# Allegro board PCIe3_0_X16_V1_0-166-20240802_20240828_pcb.brd (continued)
## Nets (continued)
VCC1V5_MGT: C414.2(CAP1) CC9.1 CC10.1 L35.2 L36.1 R255.2 TP6.1
VCC1V5_MGT_PG: R248.2 U27.3(PGOOD)
VCC1V8: C1.1(CAP2) C3.1(CAP2) C10.1(CAP2) C11.1(CAP2) C303.1(CAP2) C305.1(CAP2) C307.1(CAP2) C309.1(CAP2) C329.1(CAP2) C341.1(CAP2) CC5.1 CC6.1 D1.2 D2.2 D3.2 D4.2 J1.4 L1.1 L3.2 L4.2 L6.1 L8.2 L31.2 R1.1 R2.1 R3.1 R7.1 R8.1 R9.1 R10.1 R11.1 R14.1 R17.1 R18.1 R24.1 R25.1 R26.1 R27.1 R28.1 R45.2 R46.2 R53.2 R54.2 R234.2 R276.1 R292.1 R297.2 TP4.1 U14.2(VCCA) U14.10(OE) U15.2(VCCA) U15.10(OE) U16.2(VCCA) U16.10(OE) U17.2(VCCA) U17.10(OE) U18.3(VCCA) U18.6(OE) U19.3(VCCA) U19.6(OE)
VCC1V8_AUX: C38.1(CAP2) C39.1(CAP2) C45.1(CAP2) C46.1(CAP2) C47.1(CAP2) C48.1(CAP2) C49.1(CAP2) C50.1(CAP2) C51.1(CAP2) L8.1 U1.AA26(VCCAUX_IO#AA26) U1.AA28(VCCAUX_IO#AA28) U1.AA30(VCCAUX#AA30) U1.AB27(VCCAUX_IO#AB27) U1.AB29(VCCAUX_IO#AB29) U1.AB31(VCCAUX#AB31) U1.AC26(VCCAUX_IO#AC26) U1.AC28(VCCAUX_IO#AC28) U1.AC30(VCCAUX#AC30) U1.AD27(VCCAUX_IO#AD27) U1.AD29(VCCAUX_IO#AD29) U1.AD31(VCCAUX#AD31) U1.AE26(VCCAUX_IO#AE26) U1.AE28(VCCAUX_IO#AE28) U1.AE30(VCCAUX#AE30) U1.AF31(VCCAUX#AF31) U1.P31(VCCAUX#P31) U1.R26(VCCAUX_IO#R26) U1.R28(VCCAUX_IO#R28) U1.R30(VCCAUX#R30) U1.T27(VCCAUX_IO#T27) U1.T29(VCCAUX_IO#T29) U1.T31(VCCAUX#T31) U1.U26(VCCAUX_IO#U26) U1.U28(VCCAUX_IO#U28) U1.U30(VCCAUX#U30) U1.V27(VCCAUX_IO#V27) U1.V29(VCCAUX_IO#V29) U1.V31(VCCAUX#V31) U1.W26(VCCAUX_IO#W26) U1.W28(VCCAUX_IO#W28) U1.W30(VCCAUX#W30) U1.Y27(VCCAUX_IO#Y27) U1.Y29(VCCAUX_IO#Y29) U1.Y31(VCCAUX#Y31)
VCC1V8_PG: R228.2 U25.3(PGOOD) U26.2(EN) U29.2(EN) U32.2(EN)
VCC1V8_VCCO: C25.1(CAP2) C26.1(CAP2) C30.1(CAP2) C31.1(CAP2) C32.1(CAP2) C33.1(CAP2) C34.1(CAP2) L6.2 U1.A16(VCCO_48#A16) U1.AA9(VCCO_0#AA9) U1.AF29(VCCO_65#AF29) U1.AG26(VCCO_64#AG26) U1.AH23(VCCO_64#AH23) U1.AJ30(VCCO_65#AJ30) U1.AK27(VCCO_64#AK27) U1.AL24(VCCO_64#AL24) U1.AM31(VCCO_65#AM31) U1.AN28(VCCO_65#AN28) U1.AP25(VCCO_64#AP25) U1.AR22(VCCO_64#AR22) U1.AR32(VCCO_65#AR32) U1.AT29(VCCO_65#AT29) U1.AU26(VCCO_64#AU26) U1.AV23(VCCO_64#AV23) U1.AW30(VCCO_65#AW30) U1.B13(VCCO_48#B13) U1.C10(VCCO_47#C10) U1.D17(VCCO_48#D17) U1.E14(VCCO_48#E14) U1.F11(VCCO_47#F11) U1.G8(VCCO_47#G8) U1.H15(VCCO_48#H15) U1.J12(VCCO_47#J12) U1.K9(VCCO_47#K9) U1.L16(VCCO_48#L16) U1.M13(VCCO_48#M13) U1.N10(VCCO_47#N10) U1.W9(VCCO_0#W9)
VCC2V5: L11.1 L42.2
VCC2V5_DDR4: C95.1(CAP2) C96.1(CAP2) C97.1(CAP2) C98.1(CAP2) C125.1(CAP2) C126.1(CAP2) C127.1(CAP2) C128.1(CAP2) C155.1(CAP2) C156.1(CAP2) C184.1(CAP2) C185.1(CAP2) C186.1(CAP2) C187.1(CAP2) C214.1(CAP2) C215.1(CAP2) C216.1(CAP2) C217.1(CAP2) C244.1(CAP2) C245.1(CAP2) L11.2 U4.B1(VPP1) U4.R9(VPP2) U5.B1(VPP1) U5.R9(VPP2) U6.B1(VPP1) U6.R9(VPP2) U7.B1(VPP1) U7.R9(VPP2) U8.B1(VPP1) U8.R9(VPP2) U9.B1(VPP1) U9.R9(VPP2) U10.B1(VPP1) U10.R9(VPP2) U11.B1(VPP1) U11.R9(VPP2) U12.B1(VPP1) U12.R9(VPP2) U13.B1(VPP1) U13.R9(VPP2)
VCC3V3: C274.1(CAP2) C275.1(CAP2) C281.1(CAP2) C282.1(CAP2) C285.1(CAP2) C288.1(CAP2) C293.1(CAP2) C294.1(CAP2) C299.1(CAP2) C300.1(CAP2) C304.1(CAP2) C306.1(CAP2) C308.1(CAP2) C310.1(CAP2) C330.1(CAP2) C342.1(CAP2) C358.1(CAP2) C365.1(CAP2) C412.2(CAP1) C430.2(CAP1) C434.2(CAP1) CC11.1 CC12.1 DS1.1 L5.2 L13.1 L14.1 L15.1 L16.1 L17.1 L18.1 L19.1 L20.1 L21.1 L22.1 L23.1 L24.2 L25.1 L26.2 L27.1 L38.2 L39.1 L41.1 L46.2 L48.2 R153.1 R154.1 R155.1 R156.1 R157.1 R158.1 R159.1 R160.1 R162.1 R164.1 R165.1 R166.1 R167.1 R168.1 R169.1 R170.1 R171.1 R172.1 R173.1 R174.1 R176.1 R178.1 R179.1 R180.1 R181.1 R182.1 R183.1 R184.1 R186.1 R188.1 R189.1 R190.1 R191.1 R192.1 R193.1 R194.1 R196.1 R198.1 R199.1 R200.1 R258.1 R259.1 R260.1 R261.1 R270.2 R291.1 TP7.1 U14.19(VCCB) U15.19(VCCB) U16.19(VCCB) U17.19(VCCB) U18.7(VCCB) U19.7(VCCB) U28.27(BIAS)
VCC3V3_PG: R263.2 U29.3(PGOOD)
VCC12V_FAN: C468.1(CAP2) L49.2 Q3.1(D1) Q3.2(D2) Q3.3(D3) TP15.1
VCC12V_FAN_EN: R302.2 U1.E16(IO_L17P_T2U_N8_AD10P_48)
VCC12V_FAN_FG: R297.1 R298.2 U1.F13(IO_L16P_T2U_N6_QBC_AD3P_48)
VCC12V_FAN_PWM: R300.2 U1.E13(IO_L16N_T2U_N7_QBC_AD3N_48)
VCC12V_IN: C312.1(CAP2) C313.1(CAP2) C314.1(CAP2) C315.1(CAP2) C316.1(CAP2) C317.1(CAP2) C318.1(CAP2) C377.2(CAP1) C386.2(CAP1) C395.2(CAP1) C404.2(CAP1) C422.2(CAP1) C439.2(CAP1) C466.2(CAP1) CC15.1 J5.1(POWER#1) J5.3(POWER#3) L28.1 L30.1 L32.1 L34.1 L37.1 L43.1 L50.1 P2.A2(+12V#A2) P2.A3(+12V#A3) P2.B1(+12V#B1) P2.B2(+12V#B2) P2.B3(+12V#B3) R222.1
BPI_FLASH_A_0: U1.AK29(IO_L16P_T2U_N6_QBC_AD3P_A00_D16) U2.A1
BPI_FLASH_A_1: U1.AK30(IO_L16N_T2U_N7_QBC_AD3N_A01_D17) U2.B1(A2)
BPI_FLASH_A_2: U1.AK28(IO_L15P_T2L_N4_AD11P_A02_D18_65) U2.C1(A3)
BPI_FLASH_A_3: U1.AL28(IO_L15N_T2L_N5_AD11N_A03_D19_65) U2.D1(A4)
BPI_FLASH_A_4: U1.AL30(IO_L14P_T2L_N2_GC_A04_D20_65) U2.D2(A5)
BPI_FLASH_A_5: U1.AM30(IO_L14N_T2L_N3_GC_A05_D21_65) U2.A2(A6)
BPI_FLASH_A_6: U1.AL32(IO_L13P_T2L_N0_GC_QBC_A06_D22_6) U2.C2(A7)
BPI_FLASH_A_7: U1.AM32(IO_L13N_T2L_N1_GC_QBC_A07_D23_6) U2.A3(A8)
BPI_FLASH_A_8: U1.AP31(IO_L12P_T1U_N10_GC_A08_D24_65) U2.B3(A9)
BPI_FLASH_A_9: U1.AP32(IO_L12N_T1U_N11_GC_A09_D25_65) U2.C3(A10)
BPI_FLASH_A_10: U1.AN30(IO_L11P_T1U_N8_GC_A10_D26_65) U2.D3(A11)
BPI_FLASH_A_11: U1.AN31(IO_L11N_T1U_N9_GC_A11_D27_65) U2.C4(A12)
BPI_FLASH_A_12: U1.AN29(IO_L10P_T1U_N6_QBC_AD4P_A12_D28) U2.A5(A13)
BPI_FLASH_A_13: U1.AP29(IO_L10N_T1U_N7_QBC_AD4N_A13_D29) U2.B5(A14)
BPI_FLASH_A_14: U1.AN32(IO_L9P_T1L_N4_AD12P_A14_D30_65) U2.C5(A15)
BPI_FLASH_A_15: U1.AN33(IO_L9N_T1L_N5_AD12N_A15_D31_65) U2.D7(A16)
BPI_FLASH_A_16: U1.AR29(IO_L8P_T1L_N2_AD5P_A16_65) U2.D8(A17)
BPI_FLASH_A_17: U1.AR30(IO_L8N_T1L_N3_AD5N_A17_65) U2.A7(A18)
BPI_FLASH_A_18: U1.AP28(IO_L7P_T1L_N0_QBC_AD13P_A18_65) U2.B7(A19)
BPI_FLASH_A_19: U1.AR28(IO_L7N_T1L_N1_QBC_AD13N_A19_65) U2.C7(A20)
BPI_FLASH_A_20: U1.AR31(IO_L6P_T0U_N10_AD6P_A20_65) U2.C8(A21)
BPI_FLASH_A_21: U1.AT31(IO_L6N_T0U_N11_AD6N_A21_65) U2.A8(A22)
BPI_FLASH_A_22: U1.AV31(IO_L5P_T0U_N8_AD14P_A22_65) U2.G1(A23)
BPI_FLASH_A_23: U1.AW31(IO_L5N_T0U_N9_AD14N_A23_65) U2.H8(A24)
BPI_FLASH_A_24: U1.AT30(IO_L4P_T0U_N6_DBC_AD7P_A24_65) U2.B6(A25)
BPI_FLASH_A_25: R30.2 U1.AU30(IO_L4N_T0U_N7_DBC_AD7N_A25_65)
BPI_FLASH_A_26: R31.2 U1.AT28(IO_L3P_T0L_N4_AD15P_A26_65)
BPI_FLASH_ADV_B: R26.2 U1.AM33(IO_T2U_N12_CSI_ADV_B_65) U2.F6(ADV_B)
BPI_FLASH_CE_B: R24.2 U1.AE8(RDWR_FCS_B_0) U2.B4(CE_B)
BPI_FLASH_CLK: R6.2 U2.E6(CLK)
BPI_FLASH_DQ_0: U1.AB8(D00_MOSI_0) U2.F2(DQ0)
BPI_FLASH_DQ_1: U1.AD8(D01_DIN_0) U2.E2(DQ1)
BPI_FLASH_DQ_2: U1.Y8(D02_0) U2.G3(DQ2)
BPI_FLASH_DQ_3: U1.AC8(D03_0) U2.E4(DQ3)
BPI_FLASH_DQ_4: U1.AF30(IO_L22P_T3U_N6_DBC_AD0P_D04_65) U2.E5(DQ4)
BPI_FLASH_DQ_5: U1.AG30(IO_L22N_T3U_N7_DBC_AD0N_D05_65) U2.G5(DQ5)
BPI_FLASH_DQ_6: U1.AF28(IO_L21P_T3L_N4_AD8P_D06_65) U2.G6(DQ6)
BPI_FLASH_DQ_7: U1.AG28(IO_L21N_T3L_N5_AD8N_D07_65) U2.H7(DQ7)
BPI_FLASH_DQ_8: U1.AH30(IO_L20P_T3L_N2_AD1P_D08_65) U2.E1(DQ8)
BPI_FLASH_DQ_9: U1.AH31(IO_L20N_T3L_N3_AD1N_D09_65) U2.E3(DQ9)
BPI_FLASH_DQ_10: U1.AG27(IO_L19P_T3L_N0_DBC_AD9P_D10_65) U2.F3(DQ10)
BPI_FLASH_DQ_11: U1.AH27(IO_L19N_T3L_N1_DBC_AD9N_D11_65) U2.F4(DQ11)
BPI_FLASH_DQ_12: U1.AK31(IO_L18P_T2U_N10_AD2P_D12_65) U2.F5(DQ12)
BPI_FLASH_DQ_13: U1.AL31(IO_L18N_T2U_N11_AD2N_D13_65) U2.H5(DQ13)
BPI_FLASH_DQ_14: U1.AM28(IO_L17P_T2U_N8_AD10P_D14_65) U2.G7(DQ14)
BPI_FLASH_DQ_15: U1.AM29(IO_L17N_T2U_N9_AD10N_D15_65) U2.E7(DQ15)
BPI_FLASH_OE_B: R25.2 U1.AV29(IO_L2P_T0L_N2_FOE_B_65) U2.F8(OE_B)
BPI_FLASH_RST_B: R5.2 U2.D4(RST_B)
BPI_FLASH_WAIT: R29.1 U1.AP33(IO_T1U_N12_SMBALERT_65)
BPI_FLASH_WE_B: R28.2 U1.AV30(IO_L2N_T0L_N3_FWE_FCS2_B_65) U2.G8(WE_B)
DDR4_1_POWER_GOOD: R290.1 U33.9(PGOOD)
DDR4_2_POWER_GOOD: R295.1 U34.9(PGOOD)
DDR_POWER_GOOD: Q2.1(GATE) R290.2 R292.2 R295.2
FPGA_CCLK: R6.1 U1.AB10(CCLK_0)
FPGA_DDR4_1_A0: R78.1 U1.K28(IO_L10N_T1U_N7_QBC_AD4N_44) U4.P3(A0) U5.P3(A0) U6.P3(A0) U7.P3(A0) U8.P3(A0)
FPGA_DDR4_1_A1: R79.1 U1.H29(IO_L7N_T1L_N1_QBC_AD13N_44) U4.P7(A1) U5.P7(A1) U6.P7(A1) U7.P7(A1) U8.P7(A1)
FPGA_DDR4_1_A2: R80.1 U1.J29(IO_L8N_T1L_N3_AD5N_44) U4.R3(A2) U5.R3(A2) U6.R3(A2) U7.R3(A2) U8.R3(A2)
FPGA_DDR4_1_A3: R82.1 U1.M30(IO_L1N_T0L_N1_DBC_44) U4.N7(A3) U5.N7(A3) U6.N7(A3) U7.N7(A3) U8.N7(A3)
FPGA_DDR4_1_A4: R83.1 U1.L29(IO_L2P_T0L_N2_44) U4.N3(A4) U5.N3(A4) U6.N3(A4) U7.N3(A4) U8.N3(A4)
FPGA_DDR4_1_A5: R84.1 U1.H28(IO_L7P_T1L_N0_QBC_AD13P_44) U4.P8(A5) U5.P8(A5) U6.P8(A5) U7.P8(A5) U8.P8(A5)
FPGA_DDR4_1_A6: R85.1 U1.H32(IO_L9P_T1L_N4_AD12P_44) U4.P2(A6) U5.P2(A6) U6.P2(A6) U7.P2(A6) U8.P2(A6)
FPGA_DDR4_1_A7: R86.1 U1.G31(IO_L13P_T2L_N0_GC_QBC_44) U4.R8(A7) U5.R8(A7) U6.R8(A7) U7.R8(A7) U8.R8(A7)
FPGA_DDR4_1_A8: R87.1 U1.J28(IO_L8P_T1L_N2_AD5P_44) U4.R2(A8) U5.R2(A8) U6.R2(A8) U7.R2(A8) U8.R2(A8)
FPGA_DDR4_1_A9: R88.1 U1.F30(IO_L14N_T2L_N3_GC_44) U4.R7(A9) U5.R7(A9) U6.R7(A9) U7.R7(A9) U8.R7(A9)
FPGA_DDR4_1_A10: R89.1 U1.L27(IO_L10P_T1U_N6_QBC_AD4P_44) U4.M3(A10/AP) U5.M3(A10/AP) U6.M3(A10/AP) U7.M3(A10/AP) U8.M3(A10/AP)
FPGA_DDR4_1_A11: R90.1 U1.G32(IO_L13N_T2L_N1_GC_QBC_44) U4.T2(A11) U5.T2(A11) U6.T2(A11) U7.T2(A11) U8.T2(A11)
FPGA_DDR4_1_A12: R91.1 U1.L30(IO_L2N_T0L_N3_44) U4.M7(A12/BC_N) U5.M7(A12/BC_N) U6.M7(A12/BC_N) U7.M7(A12/BC_N) U8.M7(A12/BC_N)
FPGA_DDR4_1_A13: R92.1 U1.G30(IO_L14P_T2L_N2_GC_44) U4.T8(A13) U5.T8(A13) U6.T8(A13) U7.T8(A13) U8.T8(A13)
FPGA_DDR4_1_ACT_B: R104.1 U1.M27(IO_L5N_T0U_N9_AD14N_44) U4.L3(ACT_B) U5.L3(ACT_B) U6.L3(ACT_B) U7.L3(ACT_B) U8.L3(ACT_B)
FPGA_DDR4_1_ALERT_N: R81.2 U4.P9(ALERT_N) U5.P9(ALERT_N) U6.P9(ALERT_N) U7.P9(ALERT_N) U8.P9(ALERT_N)
FPGA_DDR4_1_BA0: R98.1 U1.N31(IO_L3P_T0L_N4_AD15P_44) U4.N2(BA0) U5.N2(BA0) U6.N2(BA0) U7.N2(BA0) U8.N2(BA0)
FPGA_DDR4_1_BA1: R100.1 U1.M31(IO_L3N_T0L_N5_AD15N_44) U4.N8(BA1) U5.N8(BA1) U6.N8(BA1) U7.N8(BA1) U8.N8(BA1)
FPGA_DDR4_1_BG0: R101.1 U1.N27(IO_L5P_T0U_N8_AD14P_44) U4.M2(BG0) U5.M2(BG0) U6.M2(BG0) U7.M2(BG0) U8.M2(BG0)
FPGA_DDR4_1_CAS_N: R95.1 U1.K30(IO_L11P_T1U_N8_GC_44) U4.M8(CAS_N/A15) U5.M8(CAS_N/A15) U6.M8(CAS_N/A15) U7.M8(CAS_N/A15) U8.M8(CAS_N/A15)
FPGA_DDR4_1_CK_C: R110.2 U1.P30(IO_L4N_T0U_N7_DBC_AD7N_44) U4.K8(CK_C) U5.K8(CK_C) U6.K8(CK_C) U7.K8(CK_C) U8.K8(CK_C)
FPGA_DDR4_1_CK_T: R109.2 U1.P29(IO_L4P_T0U_N6_DBC_AD7P_44) U4.K7(CK_T) U5.K7(CK_T) U6.K7(CK_T) U7.K7(CK_T) U8.K7(CK_T)
FPGA_DDR4_1_CKE: R102.1 U1.N29(IO_L6N_T0U_N11_AD6N_44) U4.K2(CKE) U5.K2(CKE) U6.K2(CKE) U7.K2(CKE) U8.K2(CKE)
FPGA_DDR4_1_CS_B: R103.1 U1.K31(IO_T1U_N12_44) U4.L7(CS_B) U5.L7(CS_B) U6.L7(CS_B) U7.L7(CS_B) U8.L7(CS_B)
FPGA_DDR4_1_DQ0: U1.B27(IO_L2N_T0L_N3_45) U4.G2(DQ0)
FPGA_DDR4_1_DQ1: U1.D23(IO_L5P_T0U_N8_AD14P_45) U4.F7(DQ1)
FPGA_DDR4_1_DQ2: U1.C26(IO_L6P_T0U_N10_AD6P_45) U4.H3(DQ2)
FPGA_DDR4_1_DQ3: U1.B24(IO_L3N_T0L_N5_AD15N_45) U4.H7(DQ3)
FPGA_DDR4_1_DQ4: U1.C27(IO_L6N_T0U_N11_AD6N_45) U4.H2(DQ4)
FPGA_DDR4_1_DQ5: U1.C23(IO_L5N_T0U_N9_AD14N_45) U4.H8(DQ5)
FPGA_DDR4_1_DQ6: U1.B26(IO_L2P_T0L_N2_45) U4.J3(DQ6)
FPGA_DDR4_1_DQ7: U1.C24(IO_L3P_T0L_N4_AD15P_45) U4.J7(DQ7)
FPGA_DDR4_1_DQ8: U1.E26(IO_L9N_T1L_N5_AD12N_45) U4.A3(DQ8)
FPGA_DDR4_1_DQ9: U1.F24(IO_L12P_T1U_N10_GC_45) U4.B8(DQ9)
FPGA_DDR4_1_DQ10: U1.G25(IO_L11N_T1U_N9_GC_45) U4.C3(DQ10)
FPGA_DDR4_1_DQ11: U1.G24(IO_L11P_T1U_N8_GC_45) U4.C7(DQ11)
FPGA_DDR4_1_DQ12: U1.F27(IO_L8P_T1L_N2_AD5P_45) U4.C2(DQ12)
FPGA_DDR4_1_DQ13: U1.E25(IO_L9P_T1L_N4_AD12P_45) U4.C8(DQ13)
FPGA_DDR4_1_DQ14: U1.E27(IO_L8N_T1L_N3_AD5N_45) U4.D3(DQ14)
FPGA_DDR4_1_DQ15: U1.F25(IO_L12N_T1U_N11_GC_45) U4.D7(DQ15)
FPGA_DDR4_1_DQ16: U1.K25(IO_L17P_T2U_N8_AD10P_45) U5.G2(DQ0)
FPGA_DDR4_1_DQ17: U1.G26(IO_L14P_T2L_N2_GC_45) U5.F7(DQ1)
FPGA_DDR4_1_DQ18: U1.J26(IO_L15N_T2L_N5_AD11N_45) U5.H3(DQ2)
FPGA_DDR4_1_DQ19: U1.J24(IO_L18N_T2U_N11_AD2N_45) U5.H7(DQ3)
FPGA_DDR4_1_DQ20: U1.K26(IO_L15P_T2L_N4_AD11P_45) U5.H2(DQ4)
FPGA_DDR4_1_DQ21: U1.J23(IO_L18P_T2U_N10_AD2P_45) U5.H8(DQ5)
FPGA_DDR4_1_DQ22: U1.G27(IO_L14N_T2L_N3_GC_45) U5.J3(DQ6)
FPGA_DDR4_1_DQ23: U1.J25(IO_L17N_T2U_N9_AD10N_45) U5.J7(DQ7)
FPGA_DDR4_1_DQ24: U1.N24(IO_L21N_T3L_N5_AD8N_45) U5.A3(DQ8)
FPGA_DDR4_1_DQ25: U1.L25(IO_L20N_T3L_N3_AD1N_45) U5.B8(DQ9)
FPGA_DDR4_1_DQ26: U1.N26(IO_L24P_T3U_N10_45) U5.C3(DQ10)
FPGA_DDR4_1_DQ27: U1.L24(IO_L20P_T3L_N2_AD1P_45) U5.C7(DQ11)
FPGA_DDR4_1_DQ28: U1.P24(IO_L21P_T3L_N4_AD8P_45) U5.C2(DQ12)
FPGA_DDR4_1_DQ29: U1.L23(IO_L23P_T3U_N8_45) U5.C8(DQ13)
FPGA_DDR4_1_DQ30: U1.M26(IO_L24N_T3U_N11_45) U5.D3(DQ14)
FPGA_DDR4_1_DQ31: U1.K23(IO_L23N_T3U_N9_45) U5.D7(DQ15)
FPGA_DDR4_1_DQ32: U1.B22(IO_L2P_T0L_N2_46) U6.G2(DQ0)
FPGA_DDR4_1_DQ33: U1.C19(IO_L6P_T0U_N10_AD6P_46) U6.F7(DQ1)
FPGA_DDR4_1_DQ34: U1.B19(IO_L6N_T0U_N11_AD6N_46) U6.H3(DQ2)
FPGA_DDR4_1_DQ35: U1.C18(IO_L5N_T0U_N9_AD14N_46) U6.H7(DQ3)
FPGA_DDR4_1_DQ36: U1.A22(IO_L2N_T0L_N3_46) U6.H2(DQ4)
FPGA_DDR4_1_DQ37: U1.D18(IO_L5P_T0U_N8_AD14P_46) U6.H8(DQ5)
FPGA_DDR4_1_DQ38: U1.A19(IO_L3P_T0L_N4_AD15P_46) U6.J3(DQ6)
FPGA_DDR4_1_DQ39: U1.A18(IO_L3N_T0L_N5_AD15N_46) U6.J7(DQ7)
FPGA_DDR4_1_DQ40: U1.E21(IO_L8P_T1L_N2_AD5P_46) U6.A3(DQ8)
FPGA_DDR4_1_DQ41: U1.F18(IO_L9P_T1L_N4_AD12P_46) U6.B8(DQ9)
FPGA_DDR4_1_DQ42: U1.F20(IO_L12P_T1U_N10_GC_46) U6.C3(DQ10)
FPGA_DDR4_1_DQ43: U1.F19(IO_L12N_T1U_N11_GC_46) U6.C7(DQ11)
FPGA_DDR4_1_DQ44: U1.D21(IO_L8N_T1L_N3_AD5N_46) U6.C2(DQ12)
FPGA_DDR4_1_DQ45: U1.G19(IO_L11N_T1U_N9_GC_46) U6.C8(DQ13)
FPGA_DDR4_1_DQ46: U1.G20(IO_L11P_T1U_N8_GC_46) U6.D3(DQ14)
FPGA_DDR4_1_DQ47: U1.E18(IO_L9N_T1L_N5_AD12N_46) U6.D7(DQ15)
FPGA_DDR4_1_DQ48: U1.G21(IO_L14N_T2L_N3_GC_46) U7.G2(DQ0)
FPGA_DDR4_1_DQ49: U1.H18(IO_L18N_T2U_N11_AD2N_46) U7.F7(DQ1)
FPGA_DDR4_1_DQ50: U1.J20(IO_L15P_T2L_N4_AD11P_46) U7.H3(DQ2)
FPGA_DDR4_1_DQ51: U1.J18(IO_L17N_T2U_N9_AD10N_46) U7.H7(DQ3)
FPGA_DDR4_1_DQ52: U1.G22(IO_L14P_T2L_N2_GC_46) U7.H2(DQ4)
FPGA_DDR4_1_DQ53: U1.K18(IO_L17P_T2U_N8_AD10P_46) U7.H8(DQ5)
FPGA_DDR4_1_DQ54: U1.H19(IO_L18P_T2U_N10_AD2P_46) U7.J3(DQ6)
FPGA_DDR4_1_DQ55: U1.J19(IO_L15N_T2L_N5_AD11N_46) U7.J7(DQ7)
FPGA_DDR4_1_DQ56: U1.M22(IO_L24P_T3U_N10_46) U7.A3(DQ8)
FPGA_DDR4_1_DQ57: U1.N19(IO_L23P_T3U_N8_46) U7.B8(DQ9)
FPGA_DDR4_1_DQ58: U1.M21(IO_L24N_T3U_N11_46) U7.C3(DQ10)
FPGA_DDR4_1_DQ59: U1.M19(IO_L23N_T3U_N9_46) U7.C7(DQ11)
FPGA_DDR4_1_DQ60: U1.L20(IO_L21N_T3L_N5_AD8N_46) U7.C2(DQ12)
FPGA_DDR4_1_DQ61: U1.M20(IO_L21P_T3L_N4_AD8P_46) U7.C8(DQ13)
FPGA_DDR4_1_DQ62: U1.L19(IO_L20P_T3L_N2_AD1P_46) U7.D3(DQ14)
FPGA_DDR4_1_DQ63: U1.L18(IO_L20N_T3L_N3_AD1N_46) U7.D7(DQ15)
FPGA_DDR4_1_DQ64: U1.D31(IO_L20N_T3L_N3_AD1N_44) U8.G2(DQ0)
FPGA_DDR4_1_DQ65: U1.D28(IO_L21P_T3L_N4_AD8P_44) U8.F7(DQ1)
FPGA_DDR4_1_DQ66: U1.C31(IO_L24P_T3U_N10_44) U8.H3(DQ2)
FPGA_DDR4_1_DQ67: U1.C28(IO_L21N_T3L_N5_AD8N_44) U8.H7(DQ3)
FPGA_DDR4_1_DQ68: U1.B31(IO_L24N_T3U_N11_44) U8.H2(DQ4)
FPGA_DDR4_1_DQ69: U1.D30(IO_L20P_T3L_N2_AD1P_44) U8.H8(DQ5)
FPGA_DDR4_1_DQ70: U1.A29(IO_L23N_T3U_N9_44) U8.J3(DQ6)
FPGA_DDR4_1_DQ71: U1.A28(IO_L23P_T3U_N8_44) U8.J7(DQ7)
FPGA_DDR4_1_LDM1_N: U1.A23(IO_L1P_T0L_N0_DBC_45) U4.E7(LDM_N/LDBI_N)
FPGA_DDR4_1_LDM2_N: U1.H26(IO_L13P_T2L_N0_GC_QBC_45) U5.E7(LDM_N/LDBI_N)
FPGA_DDR4_1_LDM3_N: U1.B20(IO_L1P_T0L_N0_DBC_46) U6.E7(LDM_N/LDBI_N)
FPGA_DDR4_1_LDM4_N: U1.H22(IO_L13P_T2L_N0_GC_QBC_46) U7.E7(LDM_N/LDBI_N)
FPGA_DDR4_1_LDM5_N: U1.B30(IO_L19P_T3L_N0_DBC_AD9P_44) U8.E7(LDM_N/LDBI_N)
FPGA_DDR4_1_LDQS1_C: U1.A25(IO_L4N_T0U_N7_DBC_AD7N_45) U4.F3(LDQS_C)
FPGA_DDR4_1_LDQS1_T: U1.B25(IO_L4P_T0U_N6_DBC_AD7P_45) U4.G3(LDQS_T)
FPGA_DDR4_1_LDQS2_C: U1.H24(IO_L16N_T2U_N7_QBC_AD3N_45) U5.F3(LDQS_C)
FPGA_DDR4_1_LDQS2_T: U1.H23(IO_L16P_T2U_N6_QBC_AD3P_45) U5.G3(LDQS_T)
FPGA_DDR4_1_LDQS3_C: U1.B21(IO_L4N_T0U_N7_DBC_AD7N_46) U6.F3(LDQS_C)
FPGA_DDR4_1_LDQS3_T: U1.C21(IO_L4P_T0U_N6_DBC_AD7P_46) U6.G3(LDQS_T)
FPGA_DDR4_1_LDQS4_C: U1.K20(IO_L16N_T2U_N7_QBC_AD3N_46) U7.F3(LDQS_C)
FPGA_DDR4_1_LDQS4_T: U1.K21(IO_L16P_T2U_N6_QBC_AD3P_46) U7.G3(LDQS_T)
FPGA_DDR4_1_LDQS5_C: U1.B29(IO_L22N_T3U_N7_DBC_AD0N_44) U8.F3(LDQS_C)
FPGA_DDR4_1_LDQS5_T: U1.C29(IO_L22P_T3U_N6_DBC_AD0P_44) U8.G3(LDQS_T)
FPGA_DDR4_1_ODT: R105.1 U1.M29(IO_L1P_T0L_N0_DBC_44) U4.K3(ODT) U5.K3(ODT) U6.K3(ODT) U7.K3(ODT) U8.K3(ODT)
FPGA_DDR4_1_PAR: R106.1 U1.H33(IO_L9N_T1L_N5_AD12N_44) U4.T3(PAR) U5.T3(PAR) U6.T3(PAR) U7.T3(PAR) U8.T3(PAR)
FPGA_DDR4_1_RAS_N: R96.1 U1.J30(IO_L11N_T1U_N9_GC_44) U4.L8(RAS_N/A16) U5.L8(RAS_N/A16) U6.L8(RAS_N/A16) U7.L8(RAS_N/A16) U8.L8(RAS_N/A16)
FPGA_DDR4_1_RESET_N: R73.1 U1.E31(IO_L15N_T2L_N5_AD11N_44) U4.P1(RESET_N) U5.P1(RESET_N) U6.P1(RESET_N) U7.P1(RESET_N) U8.P1(RESET_N)
FPGA_DDR4_1_UDM1_N: U1.D25(IO_L7P_T1L_N0_QBC_AD13P_45) U4.E2(UDM_N/UDBI_N)
FPGA_DDR4_1_UDM2_N: U1.P25(IO_L19P_T3L_N0_DBC_AD9P_45) U5.E2(UDM_N/UDBI_N)
FPGA_DDR4_1_UDM3_N: U1.E20(IO_L7P_T1L_N0_QBC_AD13P_46) U6.E2(UDM_N/UDBI_N)
FPGA_DDR4_1_UDM4_N: U1.N22(IO_L19P_T3L_N0_DBC_AD9P_46) U7.E2(UDM_N/UDBI_N)
FPGA_DDR4_1_UDQS1_C: U1.E23(IO_L10N_T1U_N7_QBC_AD4N_45) U4.A7(UDQS_C)
FPGA_DDR4_1_UDQS1_T: U1.F23(IO_L10P_T1U_N6_QBC_AD4P_45) U4.B7(UDQS_T)
FPGA_DDR4_1_UDQS2_C: U1.M25(IO_L22N_T3U_N7_DBC_AD0N_45) U5.A7(UDQS_C)
FPGA_DDR4_1_UDQS2_T: U1.M24(IO_L22P_T3U_N6_DBC_AD0P_45) U5.B7(UDQS_T)
FPGA_DDR4_1_UDQS3_C: U1.E22(IO_L10N_T1U_N7_QBC_AD4N_46) U6.A7(UDQS_C)
FPGA_DDR4_1_UDQS3_T: U1.F22(IO_L10P_T1U_N6_QBC_AD4P_46) U6.B7(UDQS_T)
FPGA_DDR4_1_UDQS4_C: U1.K22(IO_L22N_T3U_N7_DBC_AD0N_46) U7.A7(UDQS_C)
FPGA_DDR4_1_UDQS4_T: U1.L22(IO_L22P_T3U_N6_DBC_AD0P_46) U7.B7(UDQS_T)
FPGA_DDR4_1_WE_N: R93.1 U1.N28(IO_L6P_T0U_N10_AD6P_44) U4.L2(WE_N/A14) U5.L2(WE_N/A14) U6.L2(WE_N/A14) U7.L2(WE_N/A14) U8.L2(WE_N/A14)
FPGA_DDR4_2_A0: R120.1 U1.AK18(IO_T1U_N12_66) U9.P3(A0) U10.P3(A0) U11.P3(A0) U12.P3(A0) U13.P3(A0)
FPGA_DDR4_2_A1: R121.1 U1.AR21(IO_L13N_T2L_N1_GC_QBC_66) U9.P7(A1) U10.P7(A1) U11.P7(A1) U12.P7(A1) U13.P7(A1)
FPGA_DDR4_2_A2: R122.1 U1.AH21(IO_L5P_T0U_N8_AD14P_66) U9.R3(A2) U10.R3(A2) U11.R3(A2) U12.R3(A2) U13.R3(A2)
FPGA_DDR4_2_A3: R123.1 U1.AR19(IO_L15P_T2L_N4_AD11P_66) U9.N7(A3) U10.N7(A3) U11.N7(A3) U12.N7(A3) U13.N7(A3)
FPGA_DDR4_2_A4: R124.1 U1.AJ19(IO_L3N_T0L_N5_AD15N_66) U9.N3(A4) U10.N3(A4) U11.N3(A4) U12.N3(A4) U13.N3(A4)
FPGA_DDR4_2_A5: R125.1 U1.AK21(IO_L10P_T1U_N6_QBC_AD4P_66) U9.P8(A5) U10.P8(A5) U11.P8(A5) U12.P8(A5) U13.P8(A5)
FPGA_DDR4_2_A6: R126.1 U1.AM19(IO_L11P_T1U_N8_GC_66) U9.P2(A6) U10.P2(A6) U11.P2(A6) U12.P2(A6) U13.P2(A6)
FPGA_DDR4_2_A7: R127.1 U1.AL21(IO_L10N_T1U_N7_QBC_AD4N_66) U9.R8(A7) U10.R8(A7) U11.R8(A7) U12.R8(A7) U13.R8(A7)
FPGA_DDR4_2_A8: R129.1 U1.AF20(IO_L2N_T0L_N3_66) U9.R2(A8) U10.R2(A8) U11.R2(A8) U12.R2(A8) U13.R2(A8)
FPGA_DDR4_2_A9: R130.1 U1.AM22(IO_L9N_T1L_N5_AD12N_66) U9.R7(A9) U10.R7(A9) U11.R7(A9) U12.R7(A9) U13.R7(A9)
FPGA_DDR4_2_A10: R131.1 U1.AF21(IO_L2P_T0L_N2_66) U9.M3(A10/AP) U10.M3(A10/AP) U11.M3(A10/AP) U12.M3(A10/AP) U13.M3(A10/AP)
FPGA_DDR4_2_A11: R132.1 U1.AG18(IO_L1N_T0L_N1_DBC_66) U9.T2(A11) U10.T2(A11) U11.T2(A11) U12.T2(A11) U13.T2(A11)
FPGA_DDR4_2_A12: R133.1 U1.AL18(IO_L7P_T1L_N0_QBC_AD13P_66) U9.M7(A12/BC_N) U10.M7(A12/BC_N) U11.M7(A12/BC_N) U12.M7(A12/BC_N) U13.M7(A12/BC_N)
FPGA_DDR4_2_A13: R134.1 U1.AN21(IO_L14P_T2L_N2_GC_66) U9.T8(A13) U10.T8(A13) U11.T8(A13) U12.T8(A13) U13.T8(A13)
FPGA_DDR4_2_ACT_B: R146.1 U1.AK19(IO_L8N_T1L_N3_AD5N_66) U9.L3(ACT_B) U10.L3(ACT_B) U11.L3(ACT_B) U12.L3(ACT_B) U13.L3(ACT_B)
FPGA_DDR4_2_ALERT_N: R128.2 U9.P9(ALERT_N) U10.P9(ALERT_N) U11.P9(ALERT_N) U12.P9(ALERT_N) U13.P9(ALERT_N)
FPGA_DDR4_2_BA0: R141.1 U1.AH19(IO_L3P_T0L_N4_AD15P_66) U9.N2(BA0) U10.N2(BA0) U11.N2(BA0) U12.N2(BA0) U13.N2(BA0)
FPGA_DDR4_2_BA1: R142.1 U1.AR18(IO_L15N_T2L_N5_AD11N_66) U9.N8(BA1) U10.N8(BA1) U11.N8(BA1) U12.N8(BA1) U13.N8(BA1)
FPGA_DDR4_2_BG0: R143.1 U1.AH22(IO_L6P_T0U_N10_AD6P_66) U9.M2(BG0) U10.M2(BG0) U11.M2(BG0) U12.M2(BG0) U13.M2(BG0)
FPGA_DDR4_2_CAS_N: R137.1 U1.AP21(IO_L13P_T2L_N0_GC_QBC_66) U9.M8(CAS_N/A15) U10.M8(CAS_N/A15) U11.M8(CAS_N/A15) U12.M8(CAS_N/A15) U13.M8(CAS_N/A15)
FPGA_DDR4_2_CK_C: R152.2 U1.AH20(IO_L4N_T0U_N7_DBC_AD7N_66) U9.K8(CK_C) U10.K8(CK_C) U11.K8(CK_C) U12.K8(CK_C) U13.K8(CK_C)
FPGA_DDR4_2_CK_T: R151.2 U1.AG20(IO_L4P_T0U_N6_DBC_AD7P_66) U9.K7(CK_T) U10.K7(CK_T) U11.K7(CK_T) U12.K7(CK_T) U13.K7(CK_T)
FPGA_DDR4_2_CKE: R144.1 U1.AJ21(IO_L5N_T0U_N9_AD14N_66) U9.K2(CKE) U10.K2(CKE) U11.K2(CKE) U12.K2(CKE) U13.K2(CKE)
FPGA_DDR4_2_CS_B: R145.1 U1.AM18(IO_L7N_T1L_N1_QBC_AD13N_66) U9.L7(CS_B) U10.L7(CS_B) U11.L7(CS_B) U12.L7(CS_B) U13.L7(CS_B)
FPGA_DDR4_2_DQ0: U1.AJ16(IO_L3N_T0L_N5_AD15N_67) U9.G2(DQ0)
FPGA_DDR4_2_DQ1: U1.AG17(IO_L6P_T0U_N10_AD6P_67) U9.F7(DQ1)
FPGA_DDR4_2_DQ2: U1.AJ14(IO_L5P_T0U_N8_AD14P_67) U9.H3(DQ2)
FPGA_DDR4_2_DQ3: U1.AG15(IO_L2N_T0L_N3_67) U9.H7(DQ3)
FPGA_DDR4_2_DQ4: U1.AJ13(IO_L5N_T0U_N9_AD14N_67) U9.H2(DQ4)
FPGA_DDR4_2_DQ5: U1.AF15(IO_L2P_T0L_N2_67) U9.H8(DQ5)
FPGA_DDR4_2_DQ6: U1.AJ17(IO_L3P_T0L_N4_AD15P_67) U9.J3(DQ6)
FPGA_DDR4_2_DQ7: U1.AH17(IO_L6N_T0U_N11_AD6N_67) U9.J7(DQ7)
FPGA_DDR4_2_DQ8: U1.AM17(IO_L8N_T1L_N3_AD5N_67) U9.A3(DQ8)
FPGA_DDR4_2_DQ9: U1.AM13(IO_L9N_T1L_N5_AD12N_67) U9.B8(DQ9)
FPGA_DDR4_2_DQ10: U1.AM15(IO_L12N_T1U_N11_GC_67) U9.C3(DQ10)
FPGA_DDR4_2_DQ11: U1.AL15(IO_L12P_T1U_N10_GC_67) U9.C7(DQ11)
FPGA_DDR4_2_DQ12: U1.AM14(IO_L11P_T1U_N8_GC_67) U9.C2(DQ12)
FPGA_DDR4_2_DQ13: U1.AL13(IO_L9P_T1L_N4_AD12P_67) U9.C8(DQ13)
FPGA_DDR4_2_DQ14: U1.AL17(IO_L8P_T1L_N2_AD5P_67) U9.D3(DQ14)
FPGA_DDR4_2_DQ15: U1.AN14(IO_L11N_T1U_N9_GC_67) U9.D7(DQ15)
FPGA_DDR4_2_DQ16: U1.AR14(IO_L15N_T2L_N5_AD11N_67) U10.G2(DQ0)
FPGA_DDR4_2_DQ17: U1.AP17(IO_L18N_T2U_N11_AD2N_67) U10.F7(DQ1)
FPGA_DDR4_2_DQ18: U1.AT15(IO_L17N_T2U_N9_AD10N_67) U10.H3(DQ2)
FPGA_DDR4_2_DQ19: U1.AN16(IO_L14P_T2L_N2_GC_67) U10.H7(DQ3)
FPGA_DDR4_2_DQ20: U1.AR15(IO_L17P_T2U_N8_AD10P_67) U10.H2(DQ4)
FPGA_DDR4_2_DQ21: U1.AN17(IO_L18P_T2U_N10_AD2P_67) U10.H8(DQ5)
FPGA_DDR4_2_DQ22: U1.AP14(IO_L15P_T2L_N4_AD11P_67) U10.J3(DQ6)
FPGA_DDR4_2_DQ23: U1.AN15(IO_L14N_T2L_N3_GC_67) U10.J7(DQ7)
FPGA_DDR4_2_DQ24: U1.AU15(IO_L21P_T3L_N4_AD8P_67) U10.A3(DQ8)
FPGA_DDR4_2_DQ25: U1.AT16(IO_L20N_T3L_N3_AD1N_67) U10.B8(DQ9)
FPGA_DDR4_2_DQ26: U1.AV14(IO_L23P_T3U_N8_67) U10.C3(DQ10)
FPGA_DDR4_2_DQ27: U1.AW18(IO_L24P_T3U_N10_67) U10.C7(DQ11)
FPGA_DDR4_2_DQ28: U1.AV15(IO_L21N_T3L_N5_AD8N_67) U10.C2(DQ12)
FPGA_DDR4_2_DQ29: U1.AT17(IO_L20P_T3L_N2_AD1P_67) U10.C8(DQ13)
FPGA_DDR4_2_DQ30: U1.AW14(IO_L23N_T3U_N9_67) U10.D3(DQ14)
FPGA_DDR4_2_DQ31: U1.AW17(IO_L24N_T3U_N11_67) U10.D7(DQ15)
FPGA_DDR4_2_DQ32: U1.AG10(IO_L5P_T0U_N8_AD14P_68) U11.G2(DQ0)
FPGA_DDR4_2_DQ33: U1.AJ11(IO_L6P_T0U_N10_AD6P_68) U11.F7(DQ1)
FPGA_DDR4_2_DQ34: U1.AJ9(IO_L2P_T0L_N2_68) U11.H3(DQ2)
FPGA_DDR4_2_DQ35: U1.AJ12(IO_L3N_T0L_N5_AD15N_68) U11.H7(DQ3)
FPGA_DDR4_2_DQ36: U1.AH10(IO_L5N_T0U_N9_AD14N_68) U11.H2(DQ4)
FPGA_DDR4_2_DQ37: U1.AH12(IO_L3P_T0L_N4_AD15P_68) U11.H8(DQ5)
FPGA_DDR4_2_DQ38: U1.AK9(IO_L2N_T0L_N3_68) U11.J3(DQ6)
FPGA_DDR4_2_DQ39: U1.AK10(IO_L6N_T0U_N11_AD6N_68) U11.J7(DQ7)
FPGA_DDR4_2_DQ40: U1.AK11(IO_L9P_T1L_N4_AD12P_68) U11.A3(DQ8)
FPGA_DDR4_2_DQ41: U1.AN9(IO_L11N_T1U_N9_GC_68) U11.B8(DQ9)
FPGA_DDR4_2_DQ42: U1.AM9(IO_L12N_T1U_N11_GC_68) U11.C3(DQ10)
FPGA_DDR4_2_DQ43: U1.AN10(IO_L11P_T1U_N8_GC_68) U11.C7(DQ11)
FPGA_DDR4_2_DQ44: U1.AL8(IO_L8P_T1L_N2_AD5P_68) U11.C2(DQ12)
FPGA_DDR4_2_DQ45: U1.AM10(IO_L12P_T1U_N10_GC_68) U11.C8(DQ13)
FPGA_DDR4_2_DQ46: U1.AM8(IO_L8N_T1L_N3_AD5N_68) U11.D3(DQ14)
FPGA_DDR4_2_DQ47: U1.AL10(IO_L9N_T1L_N5_AD12N_68) U11.D7(DQ15)
FPGA_DDR4_2_DQ48: U1.AP8(IO_L14N_T2L_N3_GC_68) U12.G2(DQ0)
FPGA_DDR4_2_DQ49: U1.AT11(IO_L15N_T2L_N5_AD11N_68) U12.F7(DQ1)
FPGA_DDR4_2_DQ50: U1.AP9(IO_L14P_T2L_N2_GC_68) U12.H3(DQ2)
FPGA_DDR4_2_DQ51: U1.AR11(IO_L15P_T2L_N4_AD11P_68) U12.H7(DQ3)
FPGA_DDR4_2_DQ52: U1.AP11(IO_L18N_T2U_N11_AD2N_68) U12.H2(DQ4)
FPGA_DDR4_2_DQ53: U1.AP12(IO_L18P_T2U_N10_AD2P_68) U12.H8(DQ5)
FPGA_DDR4_2_DQ54: U1.AR10(IO_L17P_T2U_N8_AD10P_68) U12.J3(DQ6)
FPGA_DDR4_2_DQ55: U1.AT10(IO_L17N_T2U_N9_AD10N_68) U12.J7(DQ7)
FPGA_DDR4_2_DQ56: U1.AV10(IO_L20N_T3L_N3_AD1N_68) U12.A3(DQ8)
FPGA_DDR4_2_DQ57: U1.AV12(IO_L24N_T3U_N11_68) U12.B8(DQ9)
FPGA_DDR4_2_DQ58: U1.AV11(IO_L21P_T3L_N4_AD8P_68) U12.C3(DQ10)
FPGA_DDR4_2_DQ59: U1.AW12(IO_L23N_T3U_N9_68) U12.C7(DQ11)
FPGA_DDR4_2_DQ60: U1.AU10(IO_L20P_T3L_N2_AD1P_68) U12.C2(DQ12)
FPGA_DDR4_2_DQ61: U1.AW13(IO_L23P_T3U_N8_68) U12.C8(DQ13)
FPGA_DDR4_2_DQ62: U1.AW11(IO_L21N_T3L_N5_AD8N_68) U12.D3(DQ14)
FPGA_DDR4_2_DQ63: U1.AU13(IO_L24P_T3U_N10_68) U12.D7(DQ15)
FPGA_DDR4_2_DQ64: U1.AV19(IO_L21P_T3L_N4_AD8P_66) U13.G2(DQ0)
FPGA_DDR4_2_DQ65: U1.AU22(IO_L20N_T3L_N3_AD1N_66) U13.F7(DQ1)
FPGA_DDR4_2_DQ66: U1.AW19(IO_L21N_T3L_N5_AD8N_66) U13.H3(DQ2)
